# Altium PCB MB V3.PcbDoc (part 3 of 4)
Units mil, origin at the board's own origin, x right, y up, seen from the top; angles counter-clockwise.
Board outline 7875 x 7012 mil, 4 copper layers (Top Layer, Mid Top, Mid Bottom, Bottom Layer), stack 23.756 mil thick; 247 components, 228 nets, 947 pads, 302 vias.
Unrouted connection lines stored in the file: 2.
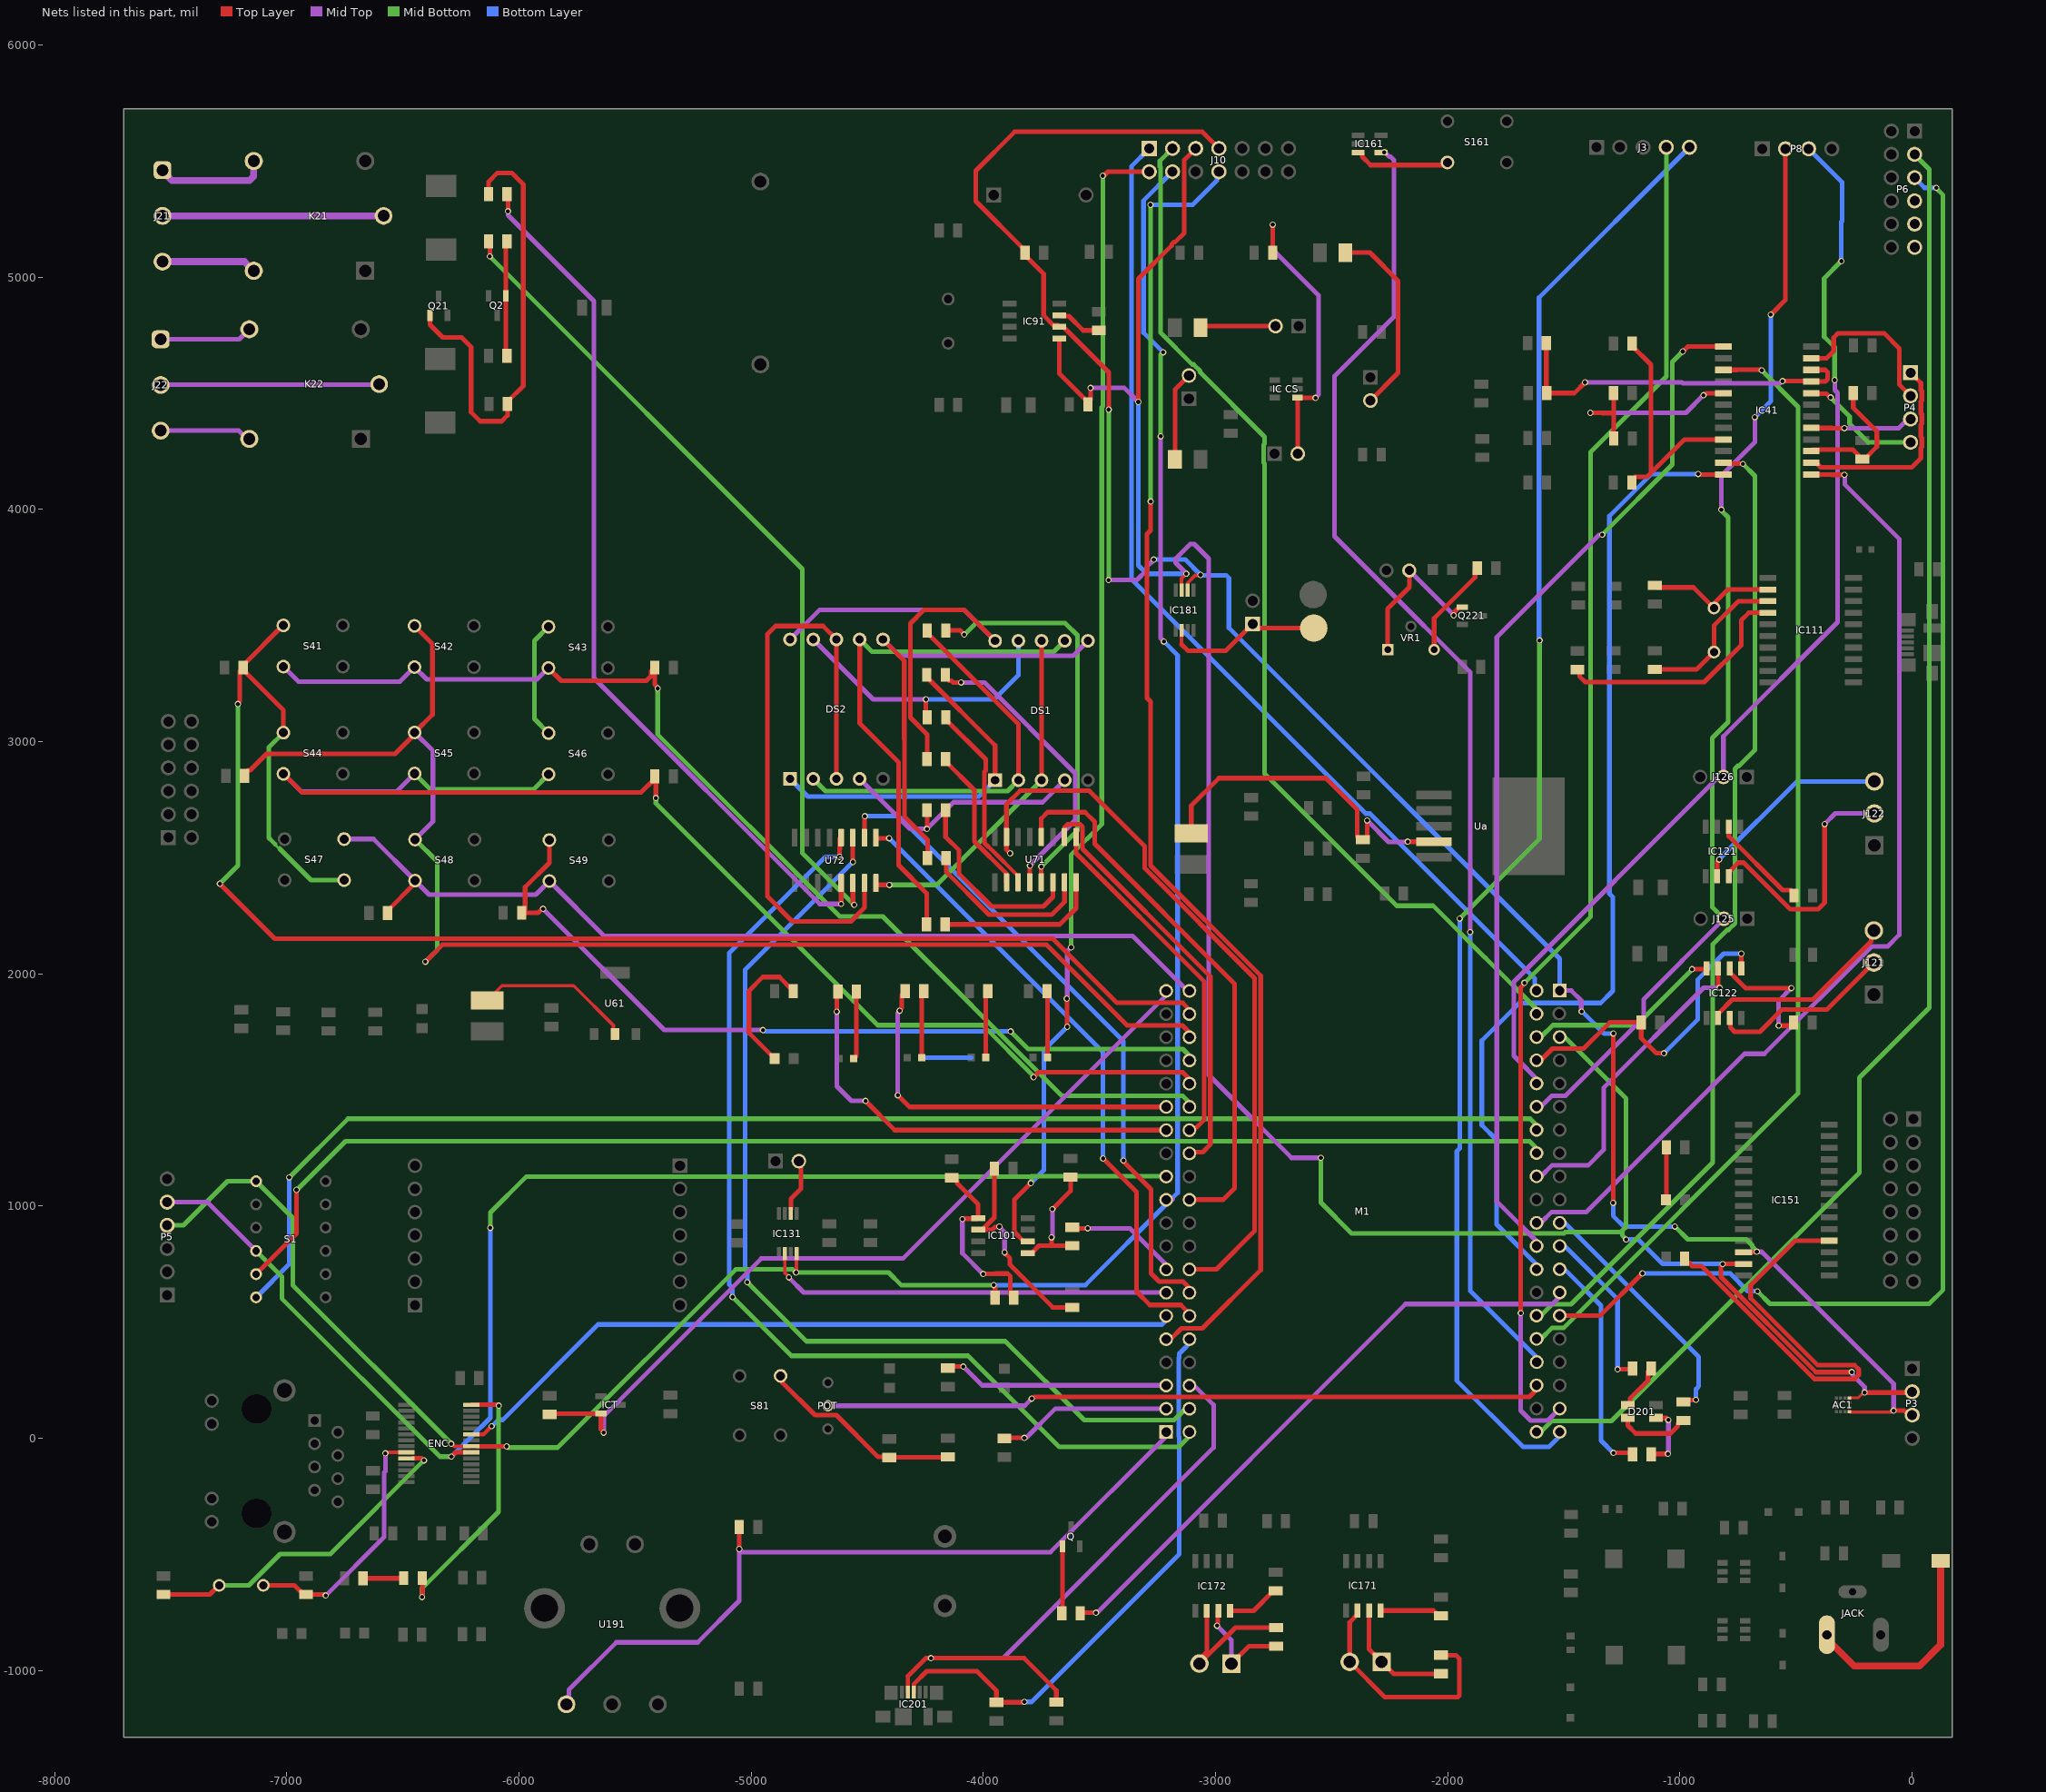
[diagram p5: the nets of this part, all layers, seen from the top]

## Via types
v1: diameter 27, hole 18, Top Layer to Bottom Layer, tented both sides, 290 vias
v2: diameter 27, hole 18, Top Layer to Bottom Layer, 12 vias

## Nets (pads, with @x,y where several pads share a name; then routed paths per layer and width w, separated by ;. In a path a pad name is that pad's centre, name@x,y a point inside that pad or via, vN(x,y) a via of type N, cw(c..) or ccw(c..) an arc to the next point about the centre after c; other vN are vias at no path point) (continued)
NetD141_2: D141.2 R152.1 | length 226.7
  Top Layer w20: D141.2@-1060.62,1027 -1058.94,1028.68 R152.1@-1058.94,1253
NetD201_2: D201.2 RW.2 | length 276.1
  Top Layer w20: RW.2@-1123.94,-69 -1121.94,-67 v1(-1051.94,-67) ; D201.2@-1102.92,87.44 -1058.38,87.44 v1(-1049.94,79)
  Mid Top w20: v1(-1051.94,-67) -1049.94,-65 v1(-1049.94,79)
NetD201_3: D201.3 RR.2 | length 200.3
  Top Layer w20: D201.3@-1224.97,142.56 -1215.7,151.83 -1215.7,171.25 -1137.94,249 -1137.94,287 RR.2@-1123.94,301
NetD201_4: D201.4 RG.2 | length 315.6
  Top Layer w20: D201.4@-1224.97,87.44 -1224.97,55.02 -1190.94,21 -1040.94,21 -1008.94,53 -1008.94,63 -994.94,77 RG.2@-984.94,77
NetDG1_2: DG1.2 RG1.1 | length 576.7
  Top Layer w20: DG1.2@-4900.28,1636 -5009.94,1745.66 -5009.94,1927 -4950.94,1986 -4878.94,1986 RG1.1@-4818.94,1926
NetDG2_2: DG2.2 RG2.1 | length 293.8
  Top Layer w20: DG2.2@-4558.45,1635 -4546.94,1646.5 RG2.1@-4546.94,1924
NetDG3_2: DG3.2 RG3.1 | length 502
  Top Layer w20: DG3.2@-4265.45,1639 -4265.45,1916.5 RG3.1@-4256.94,1925
  Bottom Layer w20: -4265.45,1639 -4052.94,1639
NetDG4_2: DG4.2 RG4.1 | length 288.5
  Top Layer w20: DG4.2@-3989.45,1640 -3989.45,1916.5 RG4.1@-3980.94,1925
NetDG5_2: DG5.2 RG5.1 | length 285.6
  Top Layer w20: RG5.1@-3725.94,1925 -3724.45,1923.5 DG5.2@-3724.45,1640
NetDS1_1: DS1.1 DS2.1 R75.1 | length 1519.3
  Top Layer w20: R75.1@-4243.94,3288 -4243.94,3278 -3949.94,2984 DS1.1@-3949.94,2834
  Bottom Layer w20: DS2.1@-4832.94,2840 -4756.94,2764 -4019.94,2764 DS1.1@-3949.94,2834
NetDS1_2: DS1.2 DS2.2 R74.1 | length 1731.4
  Top Layer w20: R74.1@-4241.94,3479 -4241.94,3469 -3849.94,3077 DS1.2@-3849.94,2834
  Mid Bottom w20: DS2.2@-4732.94,2840 -4680.42,2787.47 -3896.47,2787.47 DS1.2@-3849.94,2834
NetDS1_4: DS1.4 DS2.4 R73.1 | length 1140.9
  Top Layer w20: v1(-4243.94,2624) -4242.94,2625 R73.1@-4242.94,2705
  Mid Top w20: DS2.4@-4532.94,2840 -4316.94,2624 v1(-4243.94,2624) -4128.94,2739 -3744.94,2739 DS1.4@-3649.94,2834
NetDS1_6: DS1.6 DS2.6 R72.1 | length 1960
  Top Layer w20: DS2.6@-4432.94,3440 -4340.94,3348 -4340.94,3012.93 -4339.94,3011.93 -4339.94,2676.87 -4240.94,2577.87 R72.1@-4240.94,2498
  Mid Top w20: DS2.6@-4432.94,3440 -4362.94,3370 -3613.94,3370 DS1.6@-3549.94,3434
NetDS1_7: DS1.7 DS2.7 R71.1 | length 2270.3
  Top Layer w20: DS2.7@-4532.94,3440 -4532.94,3078 -4365.94,2911 -4365.94,2468 -4244.94,2347 R71.1@-4244.94,2213
  Mid Bottom w20: DS2.7@-4532.94,3440 -4480.42,3387.47 -3696.47,3387.47 DS1.7@-3649.94,3434
NetDS1_9: DS1.9 DS2.9 R76.1 | length 1260.4
  Top Layer w20: v1(-4247.94,3182) -4247.94,3111 R76.1@-4241.94,3105
  Mid Top w20: DS2.9@-4732.94,3440 -4474.94,3182 v1(-4247.94,3182)
  Bottom Layer w20: v1(-4247.94,3182) -3953.94,3182 -3849.94,3286 DS1.9@-3849.94,3434
NetDS1_10: DS1.10 DS2.10 R77.1 | length 2049.5
  Top Layer w20: R77.1@-4242.94,2925 -4242.94,3031.96 -4314.94,3103.96 -4314.94,3509 -4256.94,3567 -4082.94,3567 DS1.10@-3949.94,3434
  Mid Top w20: DS2.10@-4832.94,3440 -4704.94,3568 -4083.94,3568 DS1.10@-3949.94,3434
NetENC_14: ENC.14 R142.2 | length 1164.1
  Top Layer w20: v1(-6417.94,-684) -6416.94,-683 R142.2@-6416.94,-602 ; ENC.14@-6206.18,144.34 -6093.32,144.34 -6089.34,140.36 v1(-6087.44,140.36)
  Mid Bottom w20: v1(-6417.94,-684) -6417.94,-646 -6088.94,-317 -6088.94,85.83 -6087.91,86.86 -6087.91,139.89 v1(-6087.44,140.36)
NetIC41_15: IC41.15 R43.2 R44.2 | length 598.1
  Top Layer w20: IC41.15@-434.97,4251 -427.97,4258 -255.94,4258 R44.2@-214.94,4217 -204.94,4217 -151.94,4270 -151.94,4336 -253.94,4438 R43.2@-253.94,4501
NetIC41_21: IC41.21 IC41.22 R41.2 R42.2 | length 1560.4
  Top Layer w20: R42.2@-1575.94,4716 -1575.94,4503 R41.2@-1573.94,4501 -1454.94,4501 v1(-1408.94,4547) ; v1(-558.44,4552.5) -436.47,4552.5 IC41.21@-434.97,4551 -373.94,4551 -363.94,4561 -363.94,4591 -373.94,4601 IC41.22@-434.97,4601
  Mid Top w20: v1(-1408.94,4547) -991.53,4547 -987.53,4543 -569.84,4543 -560.34,4552.5 v1(-558.44,4552.5)
NetIC91_7: IC91.7 R95.1 | length 197.2
  Top Layer w20: IC91.7@-3673.21,4836 -3669.68,4832.47 -3632.41,4832.47 -3570.94,4771 R95.1@-3502.94,4771
NetIC101_1: IC101.1 R101.2 R102.1 | length 535.7
  Top Layer w20: IC101.1@-3809.21,798 -3791.93,798 -3760.93,829 -3702.94,829 ; v1(-3706.94,865) -3706.94,833 -3702.94,829 ; v1(-3702.94,987) -3624.94,1065 R102.1@-3624.94,1125 ; R101.2@-3617.94,829 -3702.94,829
  Mid Top w20: v1(-3706.94,865) -3702.94,869 v1(-3702.94,987)
NetIC101_5: IC101.5 R104.1 R106.1 | length 791.6
  Top Layer w20: R104.1@-4136.94,1122 -4126.94,1122 -4112.94,1108 -4112.94,1098 -4022.68,1007.73 IC101.5@-4022.68,948 -4024.68,946 -4088.94,946 v1(-4090.94,944) ; v1(-4001.58,707.64) -3948.35,707.64 -3947,709 -3895.66,709 -3883.94,697.28 -3883.94,619 R106.1@-3869.94,605
  Mid Top w20: v1(-4090.94,944) -4090.94,797 v1(-4001.58,707.64)
NetIC101_6: IC101.6 R103.1 R105.1 | length 906.3
  Top Layer w20: IC101.6@-4022.68,898 IC101.6@-4005.39,898 ; R105.1@-3952.94,1161 -3952.94,950.45 IC101.6@-4005.39,898 ; v1(-3931.38,911.57) -3932.72,910.23 -3950.37,910.23 -3962.6,898 IC101.6@-4005.39,898 ; v1(-3908.83,800.39) -3908.83,798.5 -3885.75,775.42 -3885.75,747.81 -3701.94,564 R103.1@-3617.94,564
  Mid Top w20: v1(-3931.38,911.57) -3931.38,909.67 -3908.83,887.13 v1@-3908.83,802.28
NetIC111_4: IC111.4 R111.2 | length 1041.6
  Top Layer w20: R111.2@-1441.94,3310 -1432.8,3300.86 -1432.8,3280.86 -1407.94,3256 -895.94,3256 -735.94,3416 -735.94,3523 -703.94,3555 IC111.4@-621,3555
NetIC121_2: IC121.2 R123.1 | length 433.6
  Top Layer w20: IC121.2@-789.94,2633.73 -789.63,2633.42 -789.63,2592.68 -557.94,2361 -522.94,2361 -508.94,2347 R123.1@-508.94,2337
NetIC121_6: IC121.6 J122.3 | length 884.3
  Top Layer w20: IC121.6@-839.94,2420.27 -839.94,2481.61 -831.44,2490.11 v1(-831.44,2492)
  Bottom Layer w20: v1(-831.44,2492) -831.44,2493.89 -496.75,2828.59 J122.3@-162.94,2828.59
NetIC121_7: IC121.7 J122.2 | length 1114.3
  Top Layer w20: IC121.7@-789.94,2420.27 -787.15,2423.06 -787.15,2440.35 -748.5,2479 -725.94,2479 -524.94,2278 -404.94,2278 -376.94,2306 v1(-376.94,2645)
  Mid Top w20: v1(-376.94,2645) -331.15,2690.8 J122.2@-162.94,2690.8
NetIC122_2: IC122.2 R121.1 | length 565.1
  Top Layer w20: IC122.2@-785.94,2023.73 -785.94,2006.45 -718.5,1939 v1(-520.44,1939) ; v1(-574.94,1777) -524.94,1777 R121.1@-510.94,1791
  Mid Top w20: v1(-574.94,1777) -574.94,1884.5 v1(-520.44,1939)
NetIC122_6: IC122.6 J121.3 | length 857.9
  Top Layer w20: IC122.6@-835.94,1810.27 -835.94,1827.55 -774.5,1889 -426.94,1889 -176.06,2139.88 -176.06,2175.47 J121.3@-164.94,2186.59
NetIC122_7: IC122.7 J121.2 | length 791.3
  Top Layer w20: IC122.7@-785.94,1810.27 -783.16,1807.49 -783.16,1769.22 -764.94,1751 -655.94,1751 -559.94,1847 -366.74,1847 J121.2@-164.94,2048.8
NetIC131_6: IC131.6 J131.2 | length 229.7
  Top Layer w20: IC131.6@-4829.74,986.17 -4829.74,1031.2 -4785.94,1075 -4785.94,1160.79 -4786.72,1161.56 -4786.72,1185.77 J131.2@-4794.94,1194
NetIC151_18: IC151.18 R151.1 | length 2067.1
  Top Layer w20: R151.1@-979.94,774 -979.94,764 -969.94,754 -959.94,754 -947.94,742 -907.71,742 -421.21,255.5 -247.72,255.5 -230.44,272.78 -230.44,297.22 -247.72,314.5 -406.67,314.5 -695.94,603.77 -695.94,659.22 -504.16,851 IC151.18@-357.89,851
NetIC161_3: IC161.3 S161.2 | length 420.8
  Top Layer w20: IC161.3@-2386.16,5536.6 -2370.41,5536.6 -2368.6,5534.79 -2368.6,5518.7 -2332.69,5482.79 -2024.09,5482.79 -2012.47,5494.42 S161.2@-2001.9,5494.42
NetIC171_6: IC171.6 J171.2 R171.1 | length 1017.7
  Top Layer w20: IC171.6@-2388.94,-741.73 -2388.94,-759.02 -2422.74,-792.81 J171.2@-2422.74,-963 -2271.74,-1114 -1956.97,-1114 -1949.94,-1106.97 -1949.94,-949 -1964.94,-934 R171.1@-2029.94,-934
NetIC171_7: IC171.7 J171.1 R171.2 | length 519.8
  Top Layer w20: IC171.7@-2338.94,-741.73 -2338.94,-909 J171.1@-2284.94,-963 -2233.94,-1014 R171.2@-2029.94,-1014
NetIC171_8: IC171.8 R172.2 | length 269.2
  Top Layer w20: IC171.8@-2288.94,-741.73 -2061.21,-741.73 -2038.94,-764 R172.2@-2028.94,-764
NetIC172_6: IC172.6 J172.2 R174.1 | length 635.4
  Top Layer w20: IC172.6@-3037.94,-742.73 -3037.94,-919.97 -3069.74,-951.76 J172.2@-3069.74,-970 -2914.74,-815 R174.1@-2738.94,-815
NetIC172_7: IC172.7 J172.1 R174.2 | length 479.5
  Top Layer w20: v1(-2993.94,-807) -2991.07,-804.13 -2991.07,-745.86 IC172.7@-2987.94,-742.73 ; J172.1@-2931.94,-970 -2856.94,-895 R174.2@-2738.94,-895
  Mid Top w20: v1(-2993.94,-807) -2931.94,-869 J172.1@-2931.94,-970
NetIC172_8: IC172.8 R173.2 | length 232.5
  Top Layer w20: IC172.8@-2937.94,-742.73 -2836.68,-742.73 -2750.94,-657 R173.2@-2740.94,-657
NetIC181_6: "T PAD.2" IC181.6 J181.1 | length 696.1
  Top Layer w15: -3146.74,3418.8 IC181.6@-3146.74,3479.39
  Top Layer w20: -3146.74,3418.8 -3119.94,3392 -2955.94,3392 J181.1@-2840.94,3507 -2822.94,3489 -2577.44,3489
"NetIC CS_1": "IC CS.1" J4.2 R225.2 | length 1271.2
  Top Layer w20: R225.2@-2753.94,5106 v1(-2753.94,5226) ; -2646.73,4481.6 -2645.94,4480.81 ; J4.2@-2645.94,4240 -2645.94,4480.81 ; v1(-2569.94,4480) -2570.74,4480.8 -2645.93,4480.8
  Mid Top w20: v1(-2753.94,5226) -2753.94,5119 -2556.94,4922 -2556.94,4494.53 -2569.94,4481.53 v1(-2569.94,4480)
NetJ1_2: J1.2 R222.1 | length 841.8
  Top Layer w20: R222.1@-2440.94,5106 -2335.94,5106 -2213.94,4984 -2213.94,4588 J1.2@-2332.94,4469
NetJ2_2: J2.2 R223.1 | length 386.9
  Top Layer w20: R223.1@-3174.94,4215 -3174.94,4517 J2.2@-3114.94,4577
NetJ21_1: J21.1 K21.NO | length 491.6
  Mid Top w20: J21.1@-7535.94,5460.85 J21.1@-7528.26,5460.85
  Mid Top w30: J21.1@-7528.26,5460.85 -7515.15,5447.73 -7515.15,5436.16 -7494.98,5416 -7161.69,5416 -7144.11,5433.57 -7144.11,5499.11 K21.NO@-7143,5500.22
NetJ21_2: J21.2 K21.COM | length 952
  Mid Top w30: J21.2@-7535.94,5264 K21.COM@-6583.94,5264
NetJ21_3: J21.3 K21.NC | length 409.3
  Mid Top w30: J21.3@-7535.94,5067.15 -7182.37,5067.15 K21.NC@-7143,5027.78
NetJ22_1: J22.1 K22.NO | length 399.9
  Mid Top w20: J22.1@-7543.94,4732.85 -7205.09,4732.85 K22.NO@-7161.94,4776
NetJ22_2: J22.2 K22.COM | length 942.6
  Mid Top w20: J22.2@-7543.94,4536 -7542.05,4537.89 -6604.78,4537.89 K22.COM@-6602.89,4539.78
NetJ22_3: J22.3 K22.NC | length 396.7
  Mid Top w20: J22.3@-7543.94,4339.15 -7206.93,4339.15 -7171.34,4303.56 K22.NC@-7161.94,4303.56
NetJ23_2: J23.2 R224.1 | length 325.9
  Top Layer w20: R224.1@-3064.94,4782 -3057.94,4789 J23.2@-2741.94,4789
NetJACK_A: JACK.A S51.1 | length 955.9
  Top Layer w20: JACK.A@-367.23,-862.93 JACK.A@-367.23,-846
  Top Layer w30: JACK.A@-367.23,-862.93 -249.16,-981 31.06,-981 122.36,-889.7 S51.1@122.36,-527
NetLA_1: LA.1 RA.1 Ua.4 | length 1506.4
  Top Layer w20: LA.1@-3104.94,2604.93 -3104.94,2724 -2985.94,2843 -2524.94,2843 -2389.94,2708 -2389.94,2592 -2375.94,2578 RA.1@-2365.94,2578 -2357.3,2578 -2347.3,2588 v1(-2347.3,2660.64) ; v1(-2172.58,2569.36) -2172.44,2569.22 -2060.18,2569.22 Ua.4@-2060.04,2569.07
  Mid Top w20: v1(-2347.3,2660.64) -2255.13,2568.47 -2173.48,2568.47 v1(-2172.58,2569.36)
NetLB_1: LB.1 U61.2 | length 679.5
  Top Layer w15: LB.1@-6136.94,1886 -6073.94,1949 -5764.94,1949 -5594.25,1778.31 -5594.25,1748.61 U61.2@-5586.94,1741.31
NetQ2_1: Q2.1 R23.1 R24.2 | length 497.6
  Top Layer w20: R24.2@-6051.94,4661 -6057.54,4666.6 Q2.1@-6057.54,4919.34 -6057.54,5148.4 R23.1@-6051.94,5154
NetQ21_1: Q21.1 R21.1 R22.2 | length 1982.1
  Top Layer w20: Q21.1@-6383.35,4835.66 -6383.35,4795.4 -6328.94,4741 -6247.94,4741 -6206.94,4700 -6206.94,4419 -6167.94,4380 -6074.94,4380 -6049.94,4405 R22.2@-6049.94,4454 -6049.94,4464 -5981.94,4532 -5981.94,5400 -6029.94,5448 -6094.94,5448 -6131.94,5411 R21.1@-6131.94,5358
NetQ221_1: Q221.1 U210.1 VR1.1 | length 709.8
  Top Layer w20: VR1.1@-2258.94,3396.38 -2258.94,3572 -2165.73,3665.21 U210.1@-2165.73,3737 ; v1(-1974.94,3543.79) -1972.07,3546.66 -1972.07,3558.41 -1951.08,3579.4 Q221.1@-1938.28,3579.4
  Mid Top w20: U210.1@-2165.73,3737 -1974.94,3546.21 v1(-1974.94,3543.79)
NetQ_1: Q.1 RB.2 | length 290.2
  Top Layer w20: RB.2@-3662.94,-754 -3659.35,-750.4 Q.1@-3659.35,-465.34
NetR71_2: R71.2 U71.16 | length 704.6
  Top Layer w20: R71.2@-4164.94,2213 -3670.94,2213 -3600.94,2283 U71.16@-3600.94,2394.56
NetR72_2: R72.2 U71.15 | length 752
  Top Layer w20: R72.2@-4160.94,2498 -4160.94,2440 -3975.94,2255 -3705.94,2255 -3650.94,2310 U71.15@-3650.94,2394.56
NetR73_2: R73.2 U71.14 | length 841.4
  Top Layer w20: R73.2@-4162.94,2705 -4162.94,2590 -4104.94,2532 -4104.94,2430.35 -3964.59,2290 -3741.94,2290 -3700.94,2331 U71.14@-3700.94,2394.56
NetR74_2: R74.2 U71.13 | length 1743.8
  Top Layer w20: R74.2@-4161.94,3479 -4100.94,3479 v1(-4082.94,3461) ; U71.13@-3750.94,2394.56 v1(-3750.94,2462)
  Mid Bottom w20: v1(-4082.94,3461) -4082.11,3461 -4033.11,3510 -3647.94,3510 -3595.47,3457.53 -3595.47,2815.14 -3594.94,2814.61 -3594.94,2618 v1(-3750.94,2462)
NetR75_2: R75.2 U71.12 | length 1291.5
  Top Layer w20: R75.2@-4163.94,3288 -4163.94,3278 -4148.94,3263 -4138.94,3263 -4130.94,3255 v1(-4095.94,3255) ; U71.12@-3800.94,2394.56 -3800.44,2395.06 -3800.44,2465.5 v1(-3799.94,2466)
  Mid Top w20: v1(-4095.94,3255) -3995.94,3255 -3604.42,2863.47 -3604.42,2661.53 v1(-3799.94,2466)
NetR76_2: R76.2 U71.11 | length 845
  Top Layer w17: -3978.75,2546.63 -3977.5,2546.63 -3967.03,2536.16 -3965.58,2536.16 -3850.94,2421.53 U71.11@-3850.94,2394.56
  Top Layer w20: R76.2@-4161.94,3105 -4161.94,3095 -3990.47,2923.53 -3990.47,2875.16 -3995.47,2870.16 -3995.47,2563.34 -3978.75,2546.63
NetR77_2: R77.2 U71.10 | length 639
  Top Layer w20: R77.2@-4162.94,2925 -4162.94,2915 -4038.94,2791 -4038.94,2570 -3902.75,2433.81 -3902.75,2396.37 U71.10@-3900.94,2394.56
NetR83_2: R83.2 R84.1 S81.1 | length 888.4
  Top Layer w20: S81.1@-4873.36,268.95 -4865.89,261.48 -4865.89,239.94 -4725.53,99.59 -4633.53,99.59 -4454.23,-79.72 -4409.23,-79.72 -4407.44,-81.5 -4155.44,-81.5 R83.2@-4153.94,-80
  Mid Top w20: S81.1@-4873.36,268.95 S81.1@-4865.89,261.48
NetR141_2: R141.2 R142.1 | length 175.4
  Top Layer w20: R141.2@-6671.94,-603 -6497.94,-603 R142.1@-6496.94,-602
NetRL_2: RL.2 VR1.3 | length 427.7
  Top Layer w20: VR1.3@-2058.94,3396.38 -2058.94,3531 -1882.94,3707 -1882.94,3737 RL.2@-1872.94,3747
OSC11: C112.1 IC111.2 Y111.2 | length 572
  Top Layer w20: C112.1@-1108.94,3673 -1099.94,3664 -941.94,3664 Y111.2@-853.94,3576 -845.31,3584.63 -845.31,3603.63 -793.94,3655 IC111.2@-621,3655
OSC12: C111.1 IC111.3 Y111.1 | length 676.5
  Top Layer w20: C111.1@-1108.94,3311 -928.94,3311 Y111.1@-853.94,3386 -853.94,3500 -748.94,3605 IC111.3@-621,3605
OSC41: 25MHz.1 C142.1 ENC.23 | length 1098
  Top Layer w15: v1(-6576.08,-64.86) -6572.84,-64.86 -6568.36,-60.39 ENC.23@-6485.71,-60.39
  Top Layer w20: 25MHz.1@-7101.94,-633 -6967.94,-633 -6927.94,-673 C142.1@-6917.94,-673 -6836.94,-673 v1(-6832.94,-677)
  Mid Top w20: v1(-6832.94,-677) -6580.94,-425 -6580.94,-147.62 -6576.08,-142.76 v1(-6576.08,-64.86)
OSC42: 25MHz.2 C143.1 ENC.24 | length 1415.5
  Top Layer w20: C143.1@-7531.94,-673 -7331.94,-673 25MHz.2@-7291.94,-633 ; ENC.24@-6460.27,-85.98 -6420.86,-85.98 -6411.84,-95 v1(-6409.94,-95)
  Mid Bottom w20: 25MHz.2@-7291.94,-633 -7163.94,-633 -7028.94,-498 -6812.94,-498 v1(-6409.94,-95)
OUT1: DS1.3 DS1.8 U72.16 | length 1504.4
  Top Layer w20: U72.16@-4462.94,2391.56 -4462.94,2389.81 -4456.13,2383 v1(-4404.94,2383) ; DS1.3@-3749.94,2834 DS1.8@-3749.94,3434
  Mid Bottom w20: v1(-4404.94,2383) -4200.94,2383 DS1.3@-3749.94,2834
OUT1A: IC41.17 P4.3 | length 444.6
  Top Layer w20: IC41.17@-434.97,4351 -434.47,4350.5 -346.44,4350.5 -345.94,4350 v1(-291.94,4350)
  Mid Top w20: v1(-291.94,4350) -58.11,4350 -19.11,4389 P4.3@-6.94,4389
OUT1B: IC41.14 P4.1 | length 894
  Top Layer w20: IC41.14@-434.97,4201 -413.31,4201 -393.31,4181 -1.94,4181 37.54,4220.48 37.54,4264.92 41.54,4268.92 41.54,4309.08 37.54,4313.08 37.54,4364.92 41.54,4368.92 41.54,4409.08 37.54,4413.08 37.54,4464.92 41.54,4468.92 41.54,4509.08 37.54,4513.08 37.54,4544.52 P4.1@-6.94,4589
OUT2: DS2.3 DS2.8 U72.15 | length 2659.8
  Top Layer w20: DS2.3@-4632.94,2840 DS2.8@-4632.94,3440 -4690.94,3498 -4895.94,3498 -4930.94,3463 -4930.94,2334 -4822.94,2226 -4570.94,2226 -4512.94,2284 U72.15@-4512.94,2391.56
OUT2A: IC41.20 P4.4 | length 534.2
  Top Layer w20: IC41.20@-434.97,4501 -432.66,4498.7 -369.53,4498.7 -352.84,4482 v1(-350.94,4482)
  Mid Bottom w20: v1(-350.94,4482) -269.41,4400.47 -269.41,4369.19 -189.22,4289 P4.4@-6.94,4289
OUT2B: IC41.23 P4.2 | length 710
  Top Layer w20: IC41.23@-434.97,4651 -368.94,4651 -337.94,4682 -337.94,4740 -318.94,4759 -120.94,4759 -55.94,4694 -55.94,4538 P4.2@-6.94,4489
PGC: J3.5 M1.80 | length 6337
  Mid Bottom w20: v1(-1948.94,2238) -1604.94,2582 v1(-1604.94,3436)
  Bottom Layer w20: v1(-1948.94,2238) -1948.94,1248.05 -1960.94,1236.05 -1960.94,248 -1675.94,-37 -1563.94,-37 M1.80@-1497.94,29 ; v1(-1604.94,3436) -1606.94,3438 -1606.94,4911.94 J3.5@-958.94,5559.94
PGD: J3.4 M1.79 | length 5938.9
  Top Layer w20: v1(-1685.94,539) -1685.94,1941.4 -1670.4,1956.94 v1(-1670.4,1961)
  Mid Top w20: v1(-1685.94,539) -1685.94,120 -1642.94,77 -1568.94,77 -1520.87,125.07 M1.79@-1517.94,128 -1508.44,118.5 M1.79@-1514.3,118.5 ; M1.79@-1506.95,120 M1.79@-1497.94,129
  Mid Bottom w20: v1(-1670.4,1961) -1669.94,1961 -1384.44,2246.5 -1384.44,4247.44 -1058.94,4572.94 J3.4@-1058.94,5559.94
RA0/SS2: M1.13 R101.1 | length 500
  Top Layer w20: R101.1@-3617.94,909 -3612.94,904 v1(-3550.94,904)
  Mid Top w20: v1(-3550.94,904) -3368.94,904 M1.13@-3192.94,728
RA1/SS3: IC131.2 M1.14 | length 1782.3
  Top Layer w15: IC131.2@-4855.74,795.39 -4855.74,714.04 -4837.94,696.25 v1(-4837.94,693)
  Mid Top w20: v1(-4837.94,693) -4837.94,692 -4773.94,628 M1.14@-3192.94,628
RA2/SS4: ENC.9 M1.15 | length 3223.3
  Top Layer w17: ENC.9@-6206.18,16.39 -6154.05,16.4 v1(-6118.44,52.01)
  Bottom Layer w20: v1(-6118.44,52.01) -6116.55,52.01 -6088.97,79.58 -6070.36,79.58 -5659.94,490 -3231.4,490 M1.15@-3194.38,527.02
RA3/SS5: J10.8 M1.16 | length 5678.4
  Top Layer w20: v1(-3279.94,4034) -3279.94,3909.94 -3295.94,3893.94 -3295.94,3187.97 -3279.94,3171.97 -3279.94,2466 -2805.94,1992 -2805.94,725 -3057.04,473.9 -3147.04,473.9 M1.16@-3192.94,428
  Mid Bottom w20: v1(-3280.94,5312) -3279.94,5311 v1(-3279.94,4034)
  Bottom Layer w20: v1(-3280.94,5312) -3098.94,5312 -2994.55,5416.4 -2994.55,5445.92 J10.8@-2985.94,5454.52
RA4/SDO: ENC.6 IC101.2 J10.2 M1.9 P5.5 S1.4 | length 10938.2
  Top Layer w20: v1(-6291.94,-79) -6290.05,-79 -6271.85,-60.8 ENC.6@-6231.61,-60.8 ; IC101.2@-3809.21,848 -3826.5,848 -3866.94,888.45 -3866.94,1028 v1(-3795.94,1099) ; v1(-3641.48,1893.47) -3640.21,1892.2 -3640.21,1773.27 v1(-3638.94,1772) ; v1(-3485.94,5437) -3481.34,5437 -3463.82,5454.52 J10.2@-3285.94,5454.52
  Mid Top w20: P5.5@-7515.89,1017 -7342.94,1017 S1.4@-7132.94,807 ; v1(-3641.48,1893.47) -3638.94,1896 -3638.94,2098 v1(-3622.58,2114.36)
  Mid Bottom w20: S1.4@-7132.94,807 -7021.94,696 -7021.94,602 -6340.94,-79 v1(-6291.94,-79) ; v1(-6123.94,906) -6123.94,972 -5968.69,1127.25 -5346.08,1127.25 -5345.34,1126.5 -5269.09,1126.5 -5268.34,1127.25 -3792.69,1127.25 ; v1(-3795.94,1099) -3792.69,1102.25 -3792.69,1127.25 ; v1(-3622.58,2114.36) -3622.94,2114.72 -3622.94,2512 -3490.44,2644.5 -3490.44,4440.15 -3485.94,4444.65 v1(-3485.94,5437) ; M1.9@-3192.94,1128 -3791.94,1128 -3792.69,1127.25
  Bottom Layer w20: v1(-6291.94,-79) -6163.94,49 -6163.17,49 -6123.94,88.23 v1(-6123.94,906) ; v1(-3795.94,1099) -3739.94,1155 -3739.94,1671 v1(-3638.94,1772)
RA5/SDI: ENC.7 IC131.4 J10.4 M1.10 P5.4 R106.2 S1.1 | length 10225.8
  Top Layer w15: v1(-4806.94,714) -4805.75,715.19 -4805.75,794.19 IC131.4@-4804.56,795.39
  Top Layer w17: v1(-6292.27,-23.61) -6289.57,-23.61 -6278.38,-34.8 ENC.7@-6206.18,-34.8
  Top Layer w20: ENC.7@-6180.75,-34.8 -6054.15,-34.8 v1(-6053.94,-35) ; v1(-3955.94,660) -3955.94,655.4 -3949.94,649.4 R106.2@-3949.94,605
  Mid Top w20: v1(-3236.94,4315) -3236.94,3446.22 -3222.94,3432.22 v1(-3222.94,3431) ; M1.10@-3192.94,1028 M1.10@-3185.94,1028
  Mid Bottom w20: P5.4@-7515.89,917 -7445.65,917 -7255.65,1107 S1.1@-7132.94,1107 -6974.57,948.63 -6974.57,658.69 v1(-6292.27,-23.61) ; v1(-6053.94,-35) -6052.05,-35 -6047.05,-40 -5833.94,-40 -5066.94,727 -4821.47,727 -4808.47,714 v1(-4806.94,714) -4408.44,714 -4354.44,660 v1(-3955.94,660) ; v1(-3236.94,4315) -3236.94,4666 v1(-3225.94,4677)
  Bottom Layer w20: v1(-3955.94,660) -3560.94,660 -3203.44,1017.5 -3163.94,1057 -3163.94,3372 v1(-3222.94,3431) ; v1(-3225.94,4677) -3310.44,4761.5 -3310.44,5330.02 J10.4@-3185.94,5454.52
RB0/RGB-G: M1.71 RG.1 | length 1064.7
  Top Layer w20: RG.1@-984.94,157 -977.62,164.32 -932.61,164.32 v1(-931.27,165.66)
  Bottom Layer w20: M1.71@-1497.94,929 -919.94,351 -919.94,225.33 -922.12,223.15 -922.12,220.5 -931.27,211.34 v1(-931.27,165.66)
RB1: M1.60 P6.3 | length 6370
  Mid Bottom w20: M1.60@-1597.94,29 -1552.04,74.9 -1295.04,74.9 -226.94,1143 -226.94,1553 74.06,1854 74.06,5464 P6.3@9.06,5529
RB3: P6.7
RB4: P6.9
RB5: P6.11
RC1: C43.1 IC41.9 R45.2 | length 1067.1
  Top Layer w20: C43.1@-1206.94,4116 -1206.94,4126 -1192.94,4140 -1141.94,4140 -1124.94,4157 ; R45.2@-1205.94,4714 -1205.94,4704 -1124.94,4623 -1124.94,4157 ; IC41.9@-812.92,4301 -980.94,4301 -1124.94,4157
RC2: C42.1 IC41.5 R46.2 | length 904.1
  Top Layer w20: v1(-1385.94,4416) -1334.83,4416 -1333.83,4415 -1285.94,4415 ; R46.2@-1285.94,4501 -1285.94,4415 ; C42.1@-1284.94,4306 -1285.94,4307 -1285.94,4415 ; v1(-898.94,4492) -894.88,4492 -887.11,4499.78 -814.14,4499.78 IC41.5@-812.92,4501
  Mid Top w20: v1(-1385.94,4416) -974.94,4416 v1(-898.94,4492)
RC2/TEMP: Ct1.1 ICT.2 M1.1 | length 3580.4
  Top Layer w20: Ct1.1@-5867.94,103 -5864.35,106.6 ICT.2@-5647.28,106.6 -5647.28,39.85 -5635.72,28.29 v1(-5635.72,24.23)
  Mid Top w20: v1@-5635.72,26.12 -5635.72,95.23 -4956.94,774 -4346.94,774 M1.1@-3192.94,1928
RC3/SCL: AC1.1 IC91.6 IC151.12 IC181.2 J10.7 M1.61 P3.3 R94.2 | length 9313.9
  Top Layer w12: AC1.1@-266.46,112.8 -90.2,112.8 -84,119 v1(-79.94,119)
  Top Layer w15: IC181.2@-3121.15,3652.61 -3119.79,3653.97 -3119.79,3683.89 -3087.98,3715.7 -3067.24,3715.7 v1(-3064.94,3718)
  Top Layer w20: v1(-3460.49,4429.73) -3460.49,4590.56 -3655.93,4786 IC91.6@-3673.21,4786 -3680.01,4792.8 -3698.34,4792.8 -3740.94,4835.4 -3740.94,5015 -3820.94,5095 R94.2@-3820.94,5105 -3820.94,5115 -4032.94,5327 -4032.94,5459 -3865.94,5626 -3057.42,5626 J10.7@-2985.94,5554.52 ; v1(-1287.94,1014) -1287.44,1014.5 -1287.44,1742.5 v1(-1286.94,1743) ; IC151.12@-726,801 -700.83,801 -699.58,802.25 -670.69,802.25 v1(-669.44,803.5) ; v1(-79.94,119) -33.33,119 -22.93,108.6 -8.6,108.6 P3.3@0,100
  Mid Top w20: v1(-3460.94,3696) -3338.94,3696 -3296.52,3738.42 -3296.52,3752.56 -3266.44,3782.64 v1(-3266.44,3784) ; M1.61@-1517.94,1928 -1467.94,1928 -1425.28,1885.34 -1425.28,1838.84 v1(-1423.94,1837.5) ; v1(-669.44,803.5) -669.2,803.26 -648.17,803.26 -79.94,235.04 v1(-79.94,119)
  Mid Bottom w20: v1(-3460.94,3696) -3460.72,3696.23 -3460.72,4429.51 v1(-3460.49,4429.73) ; v1(-1022.28,912.33) -966.57,856.63 -714.57,856.63 -689.13,831.19 -689.13,825.08 -669.44,805.39 v1(-669.44,803.5)
  Bottom Layer w20: v1(-3266.44,3784) -3130.94,3784 v1(-3064.94,3718) -3063.6,3716.66 -2954.66,3716.66 -2942.94,3704.94 -2942.94,3490 -1517.94,2065 M1.61@-1517.94,1928 ; v1@-1422.6,1838.84 -1422.6,1838.05 -1418.55,1834 -1417.77,1834 -1326.77,1743 v1(-1286.94,1743) ; v1(-1287.94,1014) -1287.94,958 -1242.28,912.33 v1(-1022.28,912.33)
RC4/SDA: AC1.4 IC91.5 IC151.13 IC181.3 J10.5 M1.63 P3.2 R93.2 | length 10239.2
  Top Layer w12: AC1.4@-268.94,174 -232,174 -209,197 v1(-204.94,197)
  Top Layer w15: IC181.3@-3146.74,3652.61 -3146.74,3702.2 v1(-3125.94,3723)
  Top Layer w20: IC91.5@-3673.21,4736 -3673.21,4585.27 -3549.94,4462 -3538.94,4473 v1(-3538.94,4523) ; v1(-3332.94,4463) -3332.94,4992.97 -3188.94,5136.97 -3188.94,5142.63 -3179.57,5152 -3173.91,5152 -3135.94,5189.97 -3135.94,5504.52 J10.5@-3085.94,5554.52 ; IC151.13@-726,751 -726.35,750.65 -815.59,750.65 v1(-815.94,750.3) -815.94,746.24 -823.94,738.24 -823.94,695 -413.94,285 v1(-259.94,285) ; v1(-204.94,197) -3,197 P3.2@0,200
  Mid Top w20: v1(-3538.94,4523) -3392.94,4523 v1(-3332.94,4463) ; v1(-3125.94,3723) -3125.94,3723.84 -3172.74,3770.64 -3172.74,3787.2 -3109.23,3850.72 -3092.66,3850.72 -3029.94,3788 -3029.94,1565 -2672.94,1208 v1(-2547,1208) ; v1(-259.94,285) -259.94,283.11 -256.44,279.61 -256.44,272.97 -204.94,221.47 v1(-204.94,197)
  Mid Bottom w20: v1(-2547,1208) -2547,1015 -2414.47,882.47 -1499.09,882.47 -1494.09,887.47 -1255.96,887.47 -1248.94,894.5 ; M1.63@-1497.94,1729 -1231.94,1463 -1231.94,908 -1235.44,908 -1248.94,894.5 ; v1(-1231.94,856) -1231.94,857.89 -1248.94,874.89 -1248.94,894.5
  Bottom Layer w20: v1(-3332.94,4463) -3332.94,3759 -3296.94,3723 v1(-3125.94,3723) ; v1(-1231.94,856) -1179.94,856 -1074.94,751 -816.65,751 v1(-815.94,750.3)
RC6/LEDG: M1.7 RG2.2 | length 1927.8
  Top Layer w20: v1(-4631.94,1837) -4631.94,1919 RG2.2@-4626.94,1924 ; v1(-4507.94,1453) -4381.97,1327.02 -3193.92,1327.02 M1.7@-3192.94,1328
  Mid Top w20: v1(-4631.94,1837) -4631.94,1516 -4568.94,1453 v1(-4507.94,1453)
RC7/LEDG: M1.6 RG3.2 | length 1658.4
  Top Layer w20: v1(-4368.94,1477) -4318.97,1427.02 -3193.92,1427.02 M1.6@-3192.94,1428 ; v1(-4360.94,1841) -4360.94,1845.6 -4351.94,1854.6 -4351.94,1910 RG3.2@-4336.94,1925
  Mid Top w20: v1(-4368.94,1477) -4368.94,1831.11 -4360.94,1839.11 v1(-4360.94,1841)
RD0/PWMOUT01: IC41.13 M1.51 | length 4277.8
  Top Layer w20: IC41.13@-434.97,4151 -433.97,4150 -345.44,4150 -344.44,4149 v1(-291.94,4149)
  Mid Top w20: M1.51@-1597.94,929 -1552.04,974.9 -1403.04,974.9 -722.22,1655.72 -637.22,1655.72 -174.29,2118.66 -105.29,2118.66 -55.94,2168 -55.94,3873 -290.6,4107.66 -290.6,4147.66 v1(-291.94,4149)
RD1/PWMOUT11: IC41.12 M1.53 | length 4360.1
  Top Layer w20: v1(-921.77,4152.83) -919.88,4152.83 -917.55,4150.5 -813.42,4150.5 IC41.12@-812.92,4151
  Bottom Layer w20: M1.53@-1597.94,729 -1789.94,921 -1789.94,1284.94 -1853.5,1348.5 -1853.5,1712.44 -1691.42,1874.53 -1341.42,1874.53 -1289.44,1926.5 -1289.44,2330.28 -1303.94,2344.78 -1303.94,3971.06 -1122.18,4152.83 v1(-921.77,4152.83)
RD2/Phase1: IC41.11 M1.55 | length 4210
  Top Layer w20: IC41.11@-812.92,4201 -809.43,4197.51 -730.45,4197.51 v1(-729.12,4196.17)
  Mid Bottom w20: M1.55@-1597.94,529 -1549.94,577 -1469.22,577 -858.94,1187.28 -858.94,2127.49 -796.93,2189.5 -791.27,2189.5 -763.45,2217.33 -763.45,2883.12 -751.07,2895.5 -745.41,2895.5 -676.89,2964.02 -676.89,4143.94 v1(-729.12,4196.17)
RD3/Phase2: IC41.3 M1.56 | length 4889.8
  Top Layer w20: IC41.3@-812.92,4601 -755.16,4601 -754.16,4602 -652.84,4602 -649.84,4599 v1(-647.94,4599)
  Mid Bottom w20: M1.56@-1597.94,429 -1552.04,474.9 -1501.43,474.9 -490.94,1485.39 -490.94,4442 v1(-647.94,4599)
RD4/WDT: IC161.4 M1.57 | length 5721.4
  Top Layer w20: IC161.4@-2287.73,5536.6 -2286.04,5538.29 v1(-2273.67,5538.29)
  Mid Top w20: v1(-2273.67,5538.29) -2271.78,5538.29 -2251.99,5518.5 -2246.09,5518.5 -2231.94,5504.36 -2231.94,4830.07 -2488.44,4573.57 -2488.44,3884.5 -2294.43,3690.49 -1903.94,3300 v1(-1903.94,2180)
  Bottom Layer w20: v1(-1903.94,2180) -1902.94,2179 -1902.94,635 M1.57@-1596.94,329
RD5/ADC: M1.58 POT.2 | length 3108.9
  Top Layer w20: v1(-3791.94,171) -3790.05,171 -3783.05,178 -1648.94,178 M1.58@-1597.94,229
  Mid Top w20: POT.2@-4669.94,140 -3822.94,140 v1(-3791.94,171)
RD6/BUZZER: M1.74 RB.1 | length 2657.9
  Top Layer w20: RB.1@-3582.94,-754 -3580.4,-751.45 v1(-3515.24,-751.45)
  Mid Top w20: v1(-3515.24,-751.45) -3511.4,-751.45 -2181.94,578 -1548.94,578 M1.74@-1497.94,629
RE0/KEY6: M1.24 R53.1 S43.1 S46.1 S49.1 | length 4044.2
  Top Layer w20: v1(-5896.94,2280) -5901.54,2280 -5918.54,2263 R53.1@-5988.94,2263 -5973.94,2278 -5973.94,2373.63 -5869.9,2477.68 S49.1@-5869.9,2576.58
  Mid Top w20: v1(-5896.94,2280) -5374.94,1758 v1(-4949.94,1758)
  Mid Bottom w20: S43.1@-5873.9,3494.58 -5933.94,3434.54 -5933.94,3097.63 S46.1@-5872.9,3036.58 ; v1(-3882.94,1752) -3806.94,1676 -3140.94,1676 M1.24@-3092.94,1628
  Bottom Layer w20: v1(-4949.94,1758) -4943.94,1752 v1(-3882.94,1752)
RE1/KEY5: M1.23 R52.1 S42.1 S45.1 S48.1 | length 5963.5
  Top Layer w20: R52.1@-7182.94,2852 -7182.94,2862 -7167.94,2877 -7157.94,2877 -7087.94,2947 -6533.94,2947 -6449.9,3031.05 S45.1@-6449.9,3039.58 -6372.94,3116.54 -6372.94,3420.63 S42.1@-6450.9,3498.58 ; v1(-6403.94,2052) -6330.44,2125.5 -3728.44,2125.5 -3380.94,1778 -3142.94,1778 M1.23@-3092.94,1728
  Mid Top w20: S45.1@-6449.9,3039.58 -6370.94,2960.63 -6370.94,2655.54 S48.1@-6447.9,2578.58
  Mid Bottom w20: S48.1@-6447.9,2578.58 -6352.94,2483.63 -6352.94,2103 v1(-6403.94,2052)
RE2/RX1: IC122.4 M1.43 | length 834.7
  Top Layer w20: v1(-947.94,2020) -889.68,2020 IC122.4@-885.94,2023.73
  Mid Bottom w20: M1.43@-1597.94,1729 -1547.94,1779 -1187.94,1779 -947.94,2019 v1(-947.94,2020)
RE3/TX1: IC122.1 M1.44 R122.2 | length 1365.7
  Top Layer w20: M1.44@-1597.94,1629 -1548.94,1678 -1415.08,1678 -1302.08,1791 R122.2@-1166.94,1791 -1166.94,1723 -1101.94,1658 v1(-1068.94,1658) ; IC122.1@-735.94,2023.73 v1(-735.94,2087)
  Bottom Layer w20: v1(-1068.94,1658) -922.94,1804 -922.94,1976 -811.94,2087 v1(-735.94,2087)
RE4/TX2: J125.2 M1.46 P8.2 | length 4659.5
  Top Layer w20: v1(-608.94,4839) -545.94,4902 P8.2@-545.94,5552.94
  Mid Top w20: M1.46@-1597.94,1429 -1552.04,1474.9 -1493.31,1474.9 -1157.01,1811.21 -1157.01,1889.22 -991,2055.23 -991,2056.95 J125.2@-810.94,2237 ; v1(-821.94,3999) -821.94,4145.06 -677.77,4289.23 v1(-677.77,4396.83)
  Mid Bottom w20: v1(-821.94,3999) -821.94,3994.94 -792.94,3965.94 -792.94,3083.88 -860.94,3015.88 -860.94,2287 J125.2@-810.94,2237
  Bottom Layer w20: v1(-677.77,4396.83) -608.94,4465.66 v1(-608.94,4839)
RE5/TX4: M1.47 S1.6 | length 6091.5
  Mid Bottom w20: v1(-6989.94,1123) -6736.94,1376 -1644.94,1376 M1.47@-1597.94,1329
  Bottom Layer w20: S1.6@-7132.94,607 -6989.94,750 v1(-6989.94,1123)
RE6/RX4: M1.48 S1.5 | length 5903.4
  Top Layer w20: S1.5@-7132.94,707 -6958.94,881 v1(-6958.94,1070)
  Mid Bottom w20: v1(-6958.94,1070) -6956.94,1070 -6747.94,1279 -1647.94,1279 M1.48@-1597.94,1229
RE7/DIR2: IC122.3 M1.49 | length 1347.3
  Top Layer w20: IC122.3@-835.94,2023.73 -835.94,1948.39 -829.44,1941.89 v1(-829.44,1940)
  Mid Top w20: M1.49@-1597.94,1129 -1552.04,1174.9 -1396.04,1174.9 -1328.94,1242 -1328.94,1509.06 -898.01,1940 v1(-829.44,1940)
Relay/Out1: R21.2 U72.13 | length 3797.5
  Top Layer w20: R21.2@-6051.94,5358 -6047.94,5354 v1(-6047.94,5284) ; v1(-4612.94,2301) U72.13@-4612.94,2391.56
  Mid Top w20: v1(-6047.94,5284) -6047.94,5267 -5677.94,4897 -5677.94,3274 -4704.94,2301 v1(-4612.94,2301)
Relay/Out2: R23.2 U72.14 | length 3606.4
  Top Layer w20: R23.2@-6131.94,5154 -6126.36,5148.41 v1(-6126.36,5089.73) ; U72.14@-4562.94,2391.56 -4561.94,2390.56 -4561.94,2306.06 -4556.94,2301.06 v1(-4556.94,2297)
  Mid Bottom w20: v1(-6126.36,5089.73) -4779.94,3743.32 -4779.94,2520 v1(-4556.94,2297)
RF2/RELAY: M1.39 U72.3 | length 4292.7
  Top Layer w20: U72.3@-4562.94,2586.44 -4562.44,2585.94 -4562.44,2482.5 v1(-4561.94,2482)
  Mid Bottom w20: v1(-5017.08,672.14) -4762.68,417.74 -3905.68,417.74 -3565.94,78 -3179.02,78 -3135.27,121.74 M1.39@-3099.2,121.74
  Bottom Layer w20: v1(-5017.08,672.14) -5017.08,716.78 -5025.94,725.64 -5025.94,2018 v1(-4561.94,2482)
RF3/D-: IC201.2 M1.38 R201.2 | length 2743.4
  Top Layer w17: IC201.2@-4325.26,-1093.28 -4325.26,-1024.31
  Top Layer w20: -4325.26,-1024.31 -4247.94,-947 v1(-4225.94,-947) -3824.94,-947 -3685.94,-1086 R201.2@-3685.94,-1136
  Mid Top w20: v1(-4225.94,-947) -3915.94,-947 -3008.94,-40 -3008.94,144 M1.38@-3092.94,228
RF4/D+: IC201.3 M1.36 R202.1 | length 2504.2
  Top Layer w17: IC201.3@-4299.67,-1093.28 -4299.67,-1058.72
  Top Layer w20: -4299.67,-1058.72 -4243.94,-1003 -4027.94,-1003 -3943.94,-1087 R202.1@-3943.94,-1137 -3827.84,-1137 -3825.84,-1135 v1(-3823.94,-1135)
  Bottom Layer w20: v1(-3823.94,-1135) -3792.94,-1135 -3156.94,-499 -3156.94,6.61 -3158.47,8.14 -3158.47,345.86 -3156.94,347.39 -3156.94,364 M1.36@-3092.94,428
"RF5/SEG CON": M1.35 U72.1 | length 2742.2
  Top Layer w20: U72.1@-4462.94,2586.44 -4460.5,2584 v1(-4405.94,2584) ; v1(-3484.94,1205) -3340.75,1060.81 -3340.75,631.81 -3283.24,574.3 -3150.24,574.3 -3103.94,528 M1.35@-3092.94,528
  Bottom Layer w20: v1(-4405.94,2584) -3484.94,1663 v1(-3484.94,1205)
"RF6/SEG CON": M1.34 U72.2 | length 2876.4
  Top Layer w20: U72.2@-4512.94,2586.44 -4511.94,2587.44 -4511.94,2678 v1(-4510.94,2679) ; v1(-3396.94,1196) -3396.94,1191 -3277.94,1072 -3277.94,710 -3243.14,675.19 -3140.14,675.19 M1.34@-3092.94,628
  Bottom Layer w20: v1(-4510.94,2679) -4366.94,2679 -3396.94,1709 v1(-3396.94,1196)
RF7/SEG: M1.33 U71.7 | length 3118.2
  Top Layer w20: v1(-3884.94,2519) -3900.94,2535 U71.7@-3900.94,2589.44 -3900.94,2730 -3842.47,2788.47 -3544.64,2788.47 -3305.94,2549.78 -3305.94,2455.23 -2831.94,1981.23 -2831.94,893 -2996.94,728 M1.33@-3092.94,728
RG0/KEY2: M1.25 R55.2 S44.2 S45.2 S46.2 | length 5884.6
  Top Layer w20: S44.2@-7014.9,2861.42 -6934.48,2781 -5474.94,2781 -5415.94,2840 R55.2@-5415.94,2850 -5410.94,2845 v1(-5410.94,2757) ; v1(-3783.98,1554.96) -3761.94,1577 -3141.94,1577 M1.25@-3092.94,1528
  Mid Top w20: S44.2@-7014.9,2861.42 -6938.48,2785 -6527.31,2785 S45.2@-6449.9,2862.42
  Mid Bottom w20: S45.2@-6449.9,2862.42 -6381.48,2794 -5938.31,2794 S46.2@-5872.9,2859.42 ; v1(-5410.94,2757) -5410.94,2734 -4455.94,1779 -4003.07,1779 -3785.32,1561.25 -3785.32,1556.3 v1(-3783.98,1554.96)
RG1/KEY1: M1.26 R54.2 S41.2 S42.2 S43.2 | length 5022.6
  Top Layer w20: S43.2@-5873.9,3317.42 -5818.48,3262 -5451.94,3262 -5430.94,3283 -5430.94,3304 R54.2@-5415.94,3319 -5415.94,3246.6 -5402.94,3233.6 v1(-5402.94,3229)
  Mid Top w20: S41.2@-7014.9,3323.42 -6950.48,3259 -6513.31,3259 S42.2@-6450.9,3321.42 -6397.48,3268 -5923.31,3268 S43.2@-5873.9,3317.42
  Mid Bottom w20: v1(-5402.94,3229) -5402.94,3031 -4618.81,2246.87 -4434.16,2246.87 -3662.3,1475 -3142.36,1475 -3120.42,1453.06 -3120.42,1445.04 -3103.38,1428 M1.26@-3095.36,1428
RG2/SEG: M1.27 U71.1 | length 1508.4
  Top Layer w20: U71.1@-3600.94,2589.44 -3600.94,2519 -3048.85,1966.91 -3048.85,1372.55 -3092.94,1328.46 M1.27@-3092.94,1328
RG3/SEG: M1.28 U71.2 | length 1810.4
  Top Layer w20: U71.2@-3650.94,2589.44 -3649.13,2591.25 -3649.13,2632.28 -3637.2,2644.22 -3584.24,2644.22 -3573.13,2633.12 -3573.13,2538.57 -3022.85,1988.29 -3022.85,1265.3 -3055.66,1232.49 -3088.45,1232.49 M1.28@-3092.94,1228
RG4/SEG: M1.30 U71.4 | length 2360.4
  Top Layer w20: U71.4@-3750.94,2589.44 -3750.94,2669 -3723.72,2696.22 -3562.7,2696.22 -3521.13,2654.66 -3521.13,2560.11 -2918.23,1957.21 -2918.23,1076.72 -2966.94,1028 M1.30@-3092.94,1028
RG6/PWMOUT02: IC41.1 M1.52 | length 4453.2
  Top Layer w20: v1(-987.94,4680) -966.94,4701 IC41.1@-812.92,4701
  Mid Top w20: M1.52@-1597.94,829 -1788.94,1020 -1788.94,3450 -1349.28,3889.66 -1336.28,3889.66 v1(-1334.94,3891)
  Mid Bottom w20: v1(-1334.94,3891) -1032.94,4193 -1032.94,4635 v1(-987.94,4680)
RG7/RX2: J126.2 M1.45 P8.3 | length 4778.1
  Mid Top w20: M1.45@-1597.94,1529 -1715.94,1647 -1715.94,1966 -842.17,2839.77 -821.17,2839.77 J126.2@-812.94,2848 -812.94,3022.93 -321.44,3514.43 -321.44,4502.61 -332.6,4513.77 -332.6,4555.66 v1(-333.94,4557)
  Mid Bottom w20: v1(-333.94,4557) -333.94,4698.78 -378.94,4743.78 -378.94,4995.49 v1(-305.19,5069.24)
  Bottom Layer w20: P8.3@-445.94,5552.94 -301.94,5408.94 -301.94,5241.66 -305.19,5238.42 v1(-305.19,5069.24)
RH0/TX3: J10.3 M1.42 | length 4527.7
  Mid Bottom w20: J10.3@-3185.94,5554.52 -3239.94,5500.52 -3239.94,5477.08 -3237.46,5474.6 -3237.46,4761.03 -3100.93,4624.5 -3095.27,4624.5 -3067.45,4596.67 -3067.45,4591.02 -2788.94,4312.51 -2788.94,4282.62 -2793.44,4278.12 -2793.44,4201.88 -2788.94,4197.38 -2788.94,2861.94 -2220.23,2293.22 -2063.23,2293.22 -1838.8,2068.8 -1837.74,2068.8 M1.42@-1597.94,1829
RH1/RX3: J10.1 M1.41 | length 4391.6
  Bottom Layer w20: J10.1@-3285.94,5554.52 -3362.94,5477.52 -3362.94,3700.28 -2352.8,2690.14 -2335.08,2690.14 -1625.42,1980.47 -1625.42,1946.04 -1616.05,1936.67 M1.41@-1608.16,1936.67
RH2/KEY3: M1.21 R56.2 S47.2 S48.2 S49.2 | length 4168.5
  Top Layer w20: R56.2@-6566.94,2262 -6566.94,2272 -6447.9,2391.05 S48.2@-6447.9,2401.42
  Mid Top w20: S47.2@-6753.99,2580.58 -6627.06,2580.58 S48.2@-6447.9,2401.42 -6387.48,2341 -5928.31,2341 S49.2@-5869.9,2399.42 -5634.19,2163.71 -3357.65,2163.71 -3128.44,1934.5 -3099.44,1934.5 M1.21@-3092.94,1928
RH3/KEY4: M1.22 R51.1 S41.1 S44.1 S47.1 | length 6968
  Top Layer w20: v1(-7288.94,2388) -7052.44,2151.5 -3701.44,2151.5 -3424.94,1875 -3142.36,1875 M1.22@-3094.38,1827.02 ; v1(-7210.94,3162) -7210.94,3166.6 -7203.94,3173.6 -7203.94,3304 R51.1@-7188.94,3319 ; S44.1@-7014.9,3038.58 -7014.9,3134.95 -7188.94,3309 R51.1@-7188.94,3319 ; S41.1@-7014.9,3500.58 -7017.36,3500.58 -7188.94,3329 R51.1@-7188.94,3319
  Mid Bottom w10: -7050.93,2558.64 ccw(c-7009.9,2580.58) -7031.84,2539.56 ; -7050.93,2558.64 ccw(c-7009.9,2580.58) -7031.84,2539.56 ; -7050.93,2558.64 ccw(c-7009.9,2580.58) -7031.84,2539.55 ; -7050.93,2558.64 ccw(c-7009.9,2580.58) -7031.84,2539.56
  Mid Bottom w20: v1(-7288.94,2388) -7210.94,2466 v1(-7210.94,3162) ; -7050.92,2558.64 -7051.92,2559.64 -7075.02,2582.73 -7077.94,2585.66 -7077.94,2975.54 S44.1@-7014.9,3038.58 ; -7031.84,2539.55 -7030.84,2538.56 -6895.7,2403.42 S47.1@-6753.99,2403.42
RH4/LED: M1.18 R81.2 | length 996.5
  Top Layer w20: R81.2@-4152.94,302 -4145.94,309 v1(-4086.94,309)
  Mid Top w20: v1(-4086.94,309) -4005.94,228 M1.18@-3192.94,228
RH5/LED: M1.19 R82.2 | length 770.4
  Top Layer w20: R82.2@-3909.94,-1 -3906.94,2 v1(-3823.94,2)
  Mid Top w20: v1(-3823.94,2) -3815.94,2 -3689.94,128 M1.19@-3192.94,128
RH6/ENCODER: M1.20 R191.1 U191.A1 | length 3356
  Top Layer w20: v1(-5051.94,-477) R191.1@-5051.94,-382
  Mid Top w20: U191.A1@-5796.13,-1145.39 -5785.27,-1134.52 -5785.27,-1082.63 -5581.42,-878.78 -5230.72,-878.78 -5051.94,-700 v1(-5051.94,-477) -5050.41,-477 -5037.41,-490 -3710.94,-490 M1.20@-3192.94,28
RH7/RELAY: M1.40 U72.4 | length 4501.1
  Top Layer w20: v1(-4619.94,2504) -4619.94,2535.5 -4618.75,2536.69 -4618.75,2580.63 U72.4@-4612.94,2586.44
  Mid Bottom w20: v1(-5080.58,608.64) -4826.94,355 -4065.94,355 -3673.94,-37 -3157.94,-37 M1.40@-3092.94,28
  Bottom Layer w20: v1(-5080.58,608.64) -5081.92,609.98 -5081.92,649.12 -5094.94,662.14 -5094.94,2090 -4680.94,2504 v1(-4619.94,2504)
RJ1: M1.75 P6.5 | length 6656
  Top Layer w20: M1.75@-1497.94,529 -1342.94,529 v1(-1161.94,710)
  Mid Bottom w20: v1(-666.44,633) -612.44,579 73.06,579 133.06,639 133.06,5353.61 103.56,5383.11 v1(103.56,5385)
  Bottom Layer w20: v1(-1161.94,710) -783.94,710 -708.28,634.34 -667.78,634.34 v1(-666.44,633) ; P6.5@9.06,5429 53.06,5385 v1(103.56,5385)
RJ2/RGB-B: M1.73 RW.1 | length 964.9
  Top Layer w20: v1(-1286.94,-63) -1209.94,-63 RW.1@-1203.94,-69
  Bottom Layer w20: M1.73@-1497.94,729 -1339.94,571 -1339.94,-10 v1(-1286.94,-63)
RJ3/RGB-R: M1.72 RR.1 | length 693.5
  Top Layer w20: v1(-1268.94,297) -1207.94,297 RR.1@-1203.94,301
  Bottom Layer w20: M1.72@-1497.94,829 -1268.94,600 v1(-1268.94,297)